# Altium PCB BSPD+SDC.PcbDoc (part 2 of 2)
Units mil, origin at the board's own origin, x right, y up, seen from the top; angles counter-clockwise.
Board outline 4358 x 4357 mil, 2 copper layers (Top Layer, Bottom Layer); 178 components, 132 nets, 572 pads, 173 vias.
Unrouted connection lines stored in the file: 1.
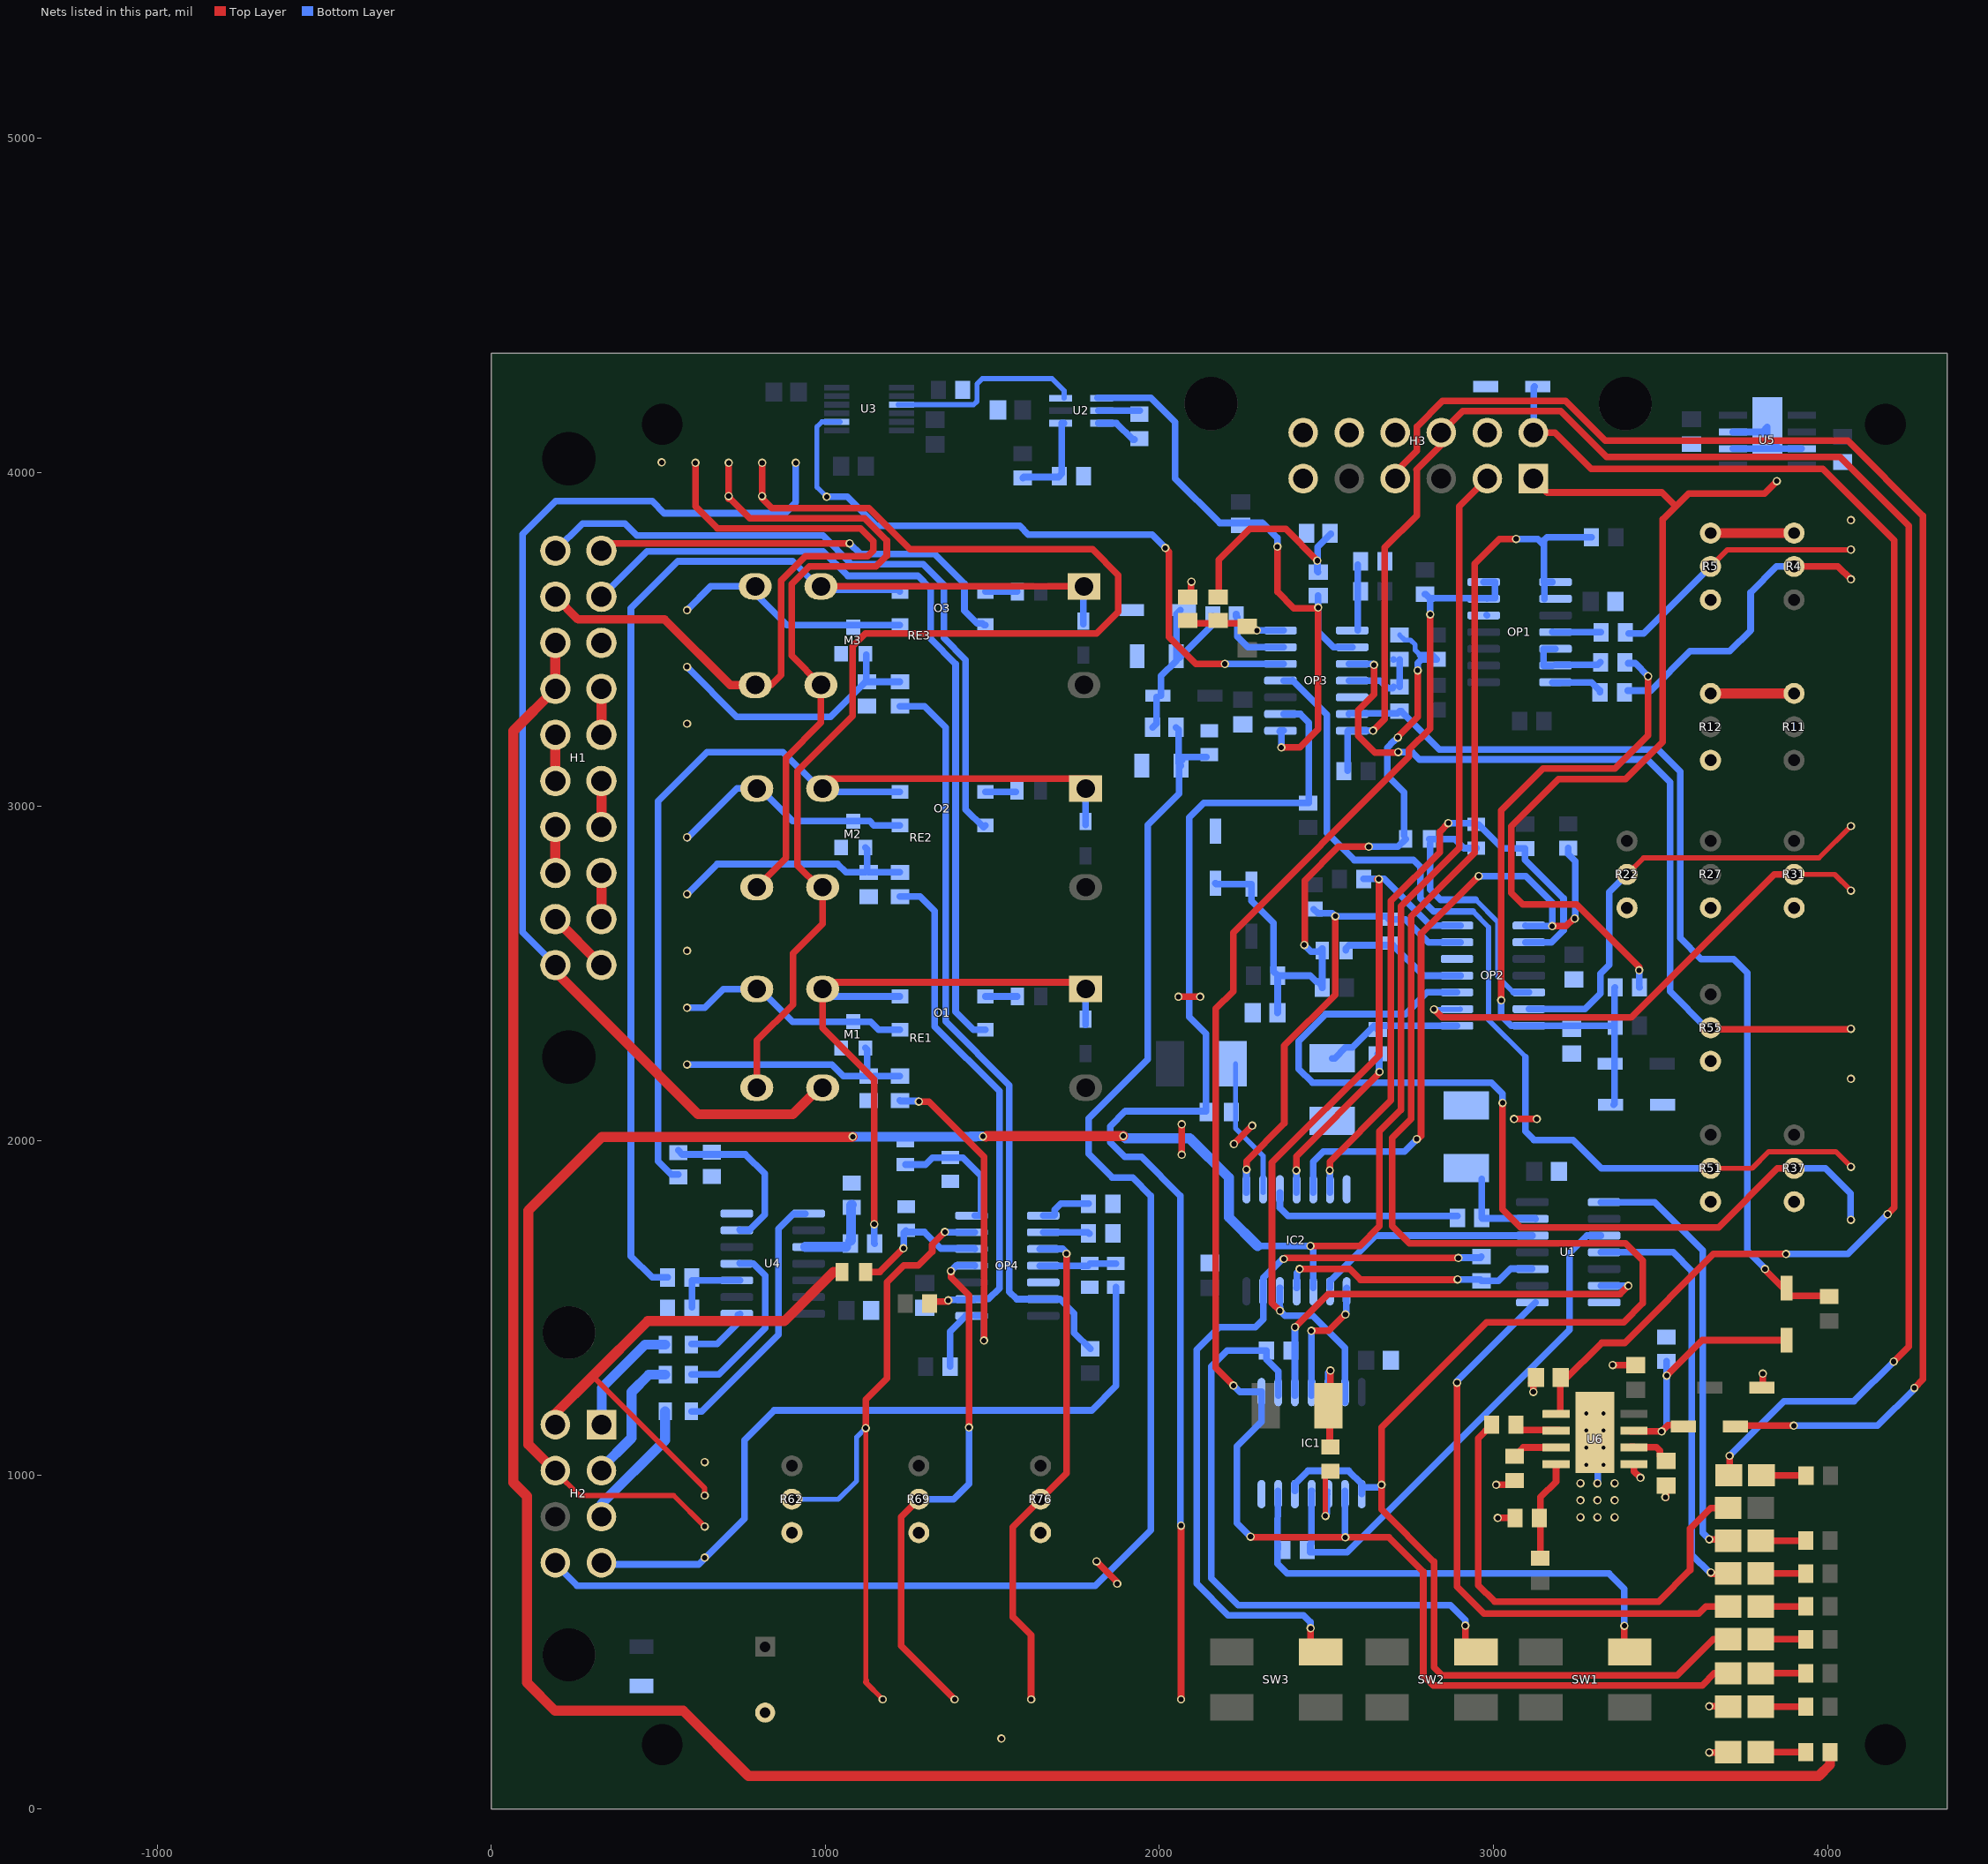
[diagram p2: the nets of this part, all layers, seen from the top]

## Via types
v1: diameter 25, hole 16, Top Layer to Bottom Layer, tented both sides, 135 vias
v2: diameter 25, hole 16, Top Layer to Bottom Layer, tented bottom, 38 vias

## Nets (pads, with @x,y where several pads share a name; then routed paths per layer and width w, separated by ;. In a path a pad name is that pad's centre, name@x,y a point inside that pad or via, vN(x,y) a via of type N, cw(c..) or ccw(c..) an arc to the next point about the centre after c; other vN are vias at no path point) (continued)
BSPD: H2.6 H3.2 IC2.10 R60.1 | length 6706.8
  Top Layer w15.75: H2.6@194.5,1007.5 264,938 546.12,938 v2(639,845.12)
  Top Layer w20: v1(2452,1685) 2600,1685 2659,1744 2659,2028 2723.51,2092.51 2723.51,2701.51 2898,2876 2898,3898.5 2981.09,3981.59 H3.2@2981.69,3981.59
  Top Layer w30: H2.6@194.5,1007.5 111,1091 111,1791 331,2011 1078,2011 v1(1082,2012) ; v1@1481,2012 1483,2014 v1(1892,2014)
  Bottom Layer w20: 2294,1685 v1(2452,1685) 2460.79,1676.21 IC2.10@2460.79,1559.16
  Bottom Layer w30: v1(1082,2012) 1240,2012 1450,2012 ; 1435.62,2013 v1(1472,2013) ; v1(1892,2014) 1898.83,2007.17 2090.83,2007.17 2208.56,1889.45 2208.56,1770.44 2294,1685
current: C18.2 D1.2 D2.1 OP2.7 R2.1 R20.2 R21.1 | length 2104.4
  Top Layer w20: v1(3023.39,2420.44) 3023.39,2988.61 3148.77,3114 3364,3114 3463,3213 v1(3463,3390)
  Bottom Layer w20: v1(3023.39,2420.44) 3023.39,2374.7 3054.09,2344 3096,2344 3096.5,2344.5 3360.82,2344.5 R21.1@3362.32,2346 ; D2.1@3360.31,2108 3362.32,2110.02 R21.1@3362.32,2346 ; R20.2@3364.34,2459 3362.32,2456.98 R21.1@3362.32,2346 ; R2.1@3403.42,3429 3424,3429 v1(3463,3390)
current_HL: OP1.7 R1.2 | length 182.7
  Bottom Layer w20: OP1.7@3199.47,3370.22 3177.73,3370.22 3175.92,3372.03 3294.05,3372.03 3319.05,3347.03 R1.2@3319.05,3342.11
current_HLb: R1.1 R4.2 | length 904.3
  Top Layer w20: R4.2@3900,3718.69 4031.31,3718.69 v2(4070,3680)
  Bottom Layer w20: R1.1@3401.89,3347 3471,3347 3589,3465 3707,3465 3770,3528 3770,3641 3847.69,3718.69 R4.2@3900,3718.69
current_init: H3.1 R20.1 | length 2804.8
  Top Layer w20: H3.1@3119.49,3981.59 3161.08,3940 3288.43,3940 3288.54,3940.11 3503.89,3940.11 3543,3901 ; v1(3436,2510) 3436,2520 3249,2707 3088,2707 3053.39,2741.61 3053.39,2940.39 3195,3082 3396,3082 3507,3193 3507,3859.5 3584.5,3937 3811,3937 v2(3848,3974)
  Bottom Layer w20: v1(3436,2510) 3435.96,2460.22 R20.1@3437.17,2459
current_LL: OP1.4 R3.2 | length 147.8
  Bottom Layer w20: OP1.4@3176.92,3523.03 3175.92,3522.03 3176.11,3521.84 3321.96,3521.84 R3.2@3322.15,3521.65
current_LLb: R3.1 R5.2 | length 768.7
  Top Layer w15.75: R5.2@3650,3718.69 3700.31,3769 v2(4070,3769)
  Bottom Layer w20: R3.1@3404.99,3518.65 3449.97,3518.65 R5.2@3650,3718.69
current_min: OP2.6 R22.2 | length 1353.1
  Top Layer w15.75: R22.2@3400,2797 3449.37,2846.37 3974.74,2846.37 v2(4070,2941.63)
  Bottom Layer w20: OP2.6@3106,2394 3274,2394 3320,2440 3320,2499.52 3347,2526.52 3347,2744 R22.2@3400,2797
current_out1: IC1.1 IC1.5 LED6.1 OP1.1 OP1.2 R7.1 | length 6593.8
  Top Layer w20: v1(2665,970) 2665,896 2821,740 ; v1@2665,976 2665,1142 2980,1457 3390,1457 3447,1514 3447,1641 3395,1693 ; 2822,740 2822,424 2846,400 3550.17,400 3658.02,507.85 LED6.1@3710.4,507.85 ; v1(3068,3801) 3018,3801 2944,3727 2944,2862 2753.51,2671.51 2753.51,2065.51 2697,2009 2697,1745 2749,1693 3392,1693
  Bottom Layer w20: IC1.5@2405.73,952.35 2405.73,973.02 2444.72,1012 2566.75,1012 2605.73,973.02 2605.73,963.02 IC1.1@2605.73,942.35 ; IC1.1@2607.41,963.02 2657.31,963.02 2664.65,970.35 v1(2665,970) ; v1(3068,3801) 3133,3801 3151.42,3782.58 ; OP1.2@3152.48,3621 OP1.1@3152.48,3672.03 ; OP1.1@3175.92,3672.03 3151.42,3672.03 3151.42,3797.42 3160,3806 R7.1@3293.55,3806
current_std: OP1.5 OP1.6 R2.2 | length 249.9
  Bottom Layer w20: OP1.6@3175.92,3422.03 3150,3422.03 3150,3472.03 OP1.5@3185.92,3472.03 ; OP1.6@3185.92,3423.84 3312.43,3423.84 R2.2@3320.58,3432
GND: C1.1 C2.1 C4.2 C5.1 C6.1 C7.1 C8.1 C9.1 C10.1 C11.1 C15.2 C16.1 C17.1 C18.1 C19.1 C20.1 C23.1 C24.1 C25.1 C26.1 C27.2 Copt1.1 D2.2 D4.2 D6.2 D10.2 D11.2 H1.5 H3.6 H3.8 H3.10 H3.11 H3.12 IC1.7 IC2.7 LED8.1 LED9.1 M1.2 M2.2 M3.2 OP1.12 OP2.12 OP3.12 OP4.12 R5.3 R12.3 R22.3 R27.3 R31.3 R37.3 R39.1 R43.1 R47.1 R48.1 R50.1 R51.3 R55.3 R58.1 R61.1 R62.3 R65.2 R68.1 R69.3 R72.2 R75.1 R76.3 R79.2 R84.1 R85.1 R87.1 R88.1 R90.1 R92.2 R96.1 R98.1 R100.1 U1.7 U2.2 U4.7 U5.3 U5.6 U5.7 U5.9 U6.1 U6.9 U6.10 U6.11 U6.12 U6.13 U6.14 U6.15 U6.16 U6.17 | length 1532.7
  Top Layer w20: v1(1812,741) 1873.04,679.96 1873.04,674.96 v1(1874,674) ; v1(2057,2431) v1(2122,2431) ; v1(2067,1958) v1@2067,2052.65 ; R43.1@2085,3627.04 2095.04,3637.08 2095.04,3672.04 v1(2096,3673) ; v1@2226.41,1993.41 v1(2278,2045) ; v1(3008.15,969.94) 3050.36,969.94 R85.1@3063,982.58 ; v1(3012.72,871) R84.1@3064.58,871 ; v1(3062,2065) v1(3129.69,2065) ; v1(3119.49,1248.02) 3119.49,1270.2 3113.69,1276 C24.1@3129.69,1292 ; v1(3357,1328.51) C23.1@3426,1328.51 ; U6.1@3420.24,1032 3420.24,1010.76 v1(3440,991) ; v1(3515,933) 3517,931 Copt1.1@3517,967.99 ; v1(3646,169) 3687.81,169 LED9.1@3710.81,192 ; v1(3646,307) 3709,307 LED8.1@3710,306 ; D10.2@3803.83,1261 3806.26,1263.43 v1(3806.26,1303)
  Bottom Layer w20: U2.2@1817.41,4184.79 R48.1@1942,4184.79 ; OP1.12@2979.22,3573.84 OP1.12@2981.04,3572.03 ; v1(3311.65,975) 3312.61,975.96 3312.61,1013.3 U6.10@3329.54,1030.23 ; U5.6@3717,4071 U5.9@3855,4071 ; U5.7@3717,4121 3805,4121 U5.9@3820,4136 3820,4106 U5.9@3855,4071 ; U5.3@3923,4071 U5.9@3855,4071
  other v1: 1527,211 3260.65,873 3311.65,873 3362.65,873 3260.65,924 3311.65,924 3362.65,924 3260.65,975 3362.65,975 2223,1990 2067,2049.28
  other v2: 639,1038 4070,2185 586,2568 586,3248 4070,3857 510,4030
NetC3_2: C3.2 IC1.12 R19.2 | length 330.4
  Top Layer w20: v1@2510.09,1310.09 v1(2512,1312) 2512,1208.91 2510.09,1207 2510.09,1085.33 R19.2@2512,1083.42
  Bottom Layer w20: IC1.12@2505.73,1217.11 2505.73,1237.78 2505.73,1305.73 v1(2512,1312)
NetC4_1: C4.1 OP2.8 R30.2 | length 425.9
  Bottom Layer w20: C4.1@2517,2246.5 2525.06,2246.5 2557.39,2278.83 2577.43,2278.83 2642.6,2344 R30.2@2654,2344 ; R30.2@2654,2332.56 R30.2@2654,2344 ; OP2.8@2891.12,2344 R30.2@2654,2344
NetC7_2: C7.2 H2.8 R39.2 R40.1 | length 4619.3
  Bottom Layer w20: H2.8@190,735 257,668 1808,668 1975,835 1975,1834.87 1919.87,1890 1859,1890 1788,1961 1788,2067 1965,2244 1965,2944.64 2059,3038.64 2059,3136 C7.2@2071.04,3148.04 ; R40.1@2050.04,3237 2057.35,3229.69 2057.35,3129.92 C7.2@2064.66,3122.61 ; C7.2@2067.85,3138.99 C7.2@2067.85,3148.04 ; C7.2@2076.91,3148.04 R39.2@2141.43,3148.04
NetC8_2: C8.2 D5.2 D6.1 R40.2 R41.1 | length 542.1
  Bottom Layer w20: R40.2@1979.96,3237 1991.29,3248.33 D5.2@1991.29,3328 ; D5.2@2005.09,3332 2005.09,3391.05 2050.84,3436.81 C8.2@2050.84,3450 2050.84,3575.93 D6.1@2062.91,3588 ; C8.2@2060,3445 2159.96,3544.96 R41.1@2159.96,3570
NetC15_1: C15.1 R52.2 U1.13 | length 279.9
  Bottom Layer w20: C15.1@2965.05,1886.17 R52.2@2965.05,1769 2966.55,1767.5 3125.06,1767.5 U1.13@3126.56,1766
NetC19_2: C19.2 D3.2 D4.1 R9.1 R24.2 R25.1 R26.1 R35.1 R53.2 | length 2190.3
  Top Layer w20: v1@2435,2586 2435,2779 2536,2880 v1(2627,2880) ; v1(2714,3207) 2714,3209.59 2773,3268.59 v1(2773,3407.55)
  Bottom Layer w15: R53.2@2719,3513.42 2734.14,3498.28 2751.94,3498.28 2766,3484.22 2766,3468 2780.78,3453.22
  Bottom Layer w20: D4.1@2168,2770.09 2170.23,2767.85 D3.2@2276,2767.85 2276,2718 2342.06,2651.94 2342.06,2506.36 R25.1@2354.42,2494 ; C19.2@2354.01,2383 2354.21,2383.2 2354.21,2493.8 R25.1@2354.42,2494 ; v1(2434,2586) 2454,2566 2478.21,2566 2487.57,2575.36 R35.1@2487.57,2569.51 2487.57,2462.93 2474.94,2475.56 2470.02,2475.56 2451.58,2494 R25.1@2354.42,2494 ; R24.2@2487.58,2458 R24.2@2487.58,2462.92 ; v1(2627,2880) 2714.57,2880 R26.1@2737.57,2903 ; v1(2714,3207) 2702.5,3195.5 2701.54,3195.5 2682.5,3176.46 2682.5,3092.88 2733,3042.38 R26.1@2733,2913 ; v1(2773,3407.55) 2773,3430 2783.58,3440.58 R9.1@2829.9,3440.58 2817.27,3453.22 2780.78,3453.22
NetC24_2: C24.2 D11.1 H3.7 U6.5 | length 4675.4
  Top Layer w20: H3.7@3119.49,4119.39 3183.61,4119.39 3292,4011 3986,4011 4200,3797 4200,1800 v1(4180,1780) ; U6.5@3197.65,1182 3198.01,1182 3199.82,1183.81 3199.82,1286.81 3202,1288.99 3210,1281 3324,1395 3393,1395 3659,1661 v1(3875.72,1661)
  Bottom Layer w20: H3.7@3119.49,4119.39 3121.2,4121.1 3121.2,4255.29 D11.1@3122.91,4257 ; v1(3875.72,1661) 4061,1661 v1(4180,1780)
NetCopt1_2: Copt1.2 U6.2 | length 133.5
  Top Layer w20: U6.2@3410.24,1084 U6.2@3420.24,1084 ; U6.2@3420.24,1082 3421.25,1083.01 3487.99,1083.01 3498.46,1072.54 3498.46,1056.61 3513.06,1042.01 Copt1.2@3517,1042.01
NetD7_2: D7.2 O1.4 R97.1 RE1.1 RE1.3 | length 1993.3
  Top Layer w20: v1(1146.45,1750) 1146.45,2183.12 991.94,2337.63 RE1.3@991.94,2454.09 1011.94,2474.09 1779.34,2474.09 RE1.1@1789.34,2474.09
  Bottom Layer w20: RE1.3@991.94,2466.86 RE1.3@991.94,2454.09 1014.12,2431.91 O1.4@1223.46,2431.91 ; v1(1146.45,1750) 1146.45,1693.45 R97.1@1147.9,1692 ; RE1.1@1779.34,2454.09 1779.56,2453.88 D7.2@1779.56,2346.77
NetD8_2: D8.2 O2.4 R99.2 RE2.1 RE2.3 | length 2915.6
  Top Layer w20: RE2.3@1001.94,3084.09 1789.34,3084.09 RE2.1@1789.18,3054.09
  Bottom Layer w20: R99.2@560,1898.58 539.42,1898.58 499,1939 499,3016 646,3163 873.19,3163 982.09,3054.09 RE2.3@991.94,3054.09 1002.35,3043.69 O2.4@1223.46,3043.69 ; D8.2@1779.34,2945.43 RE2.1@1779.34,3054.09
NetD9_2: D9.2 O3.4 R95.2 RE3.1 RE3.3 | length 3878.1
  Top Layer w20: RE3.3@986.94,3659.09 RE3.1@1774.34,3659.09
  Bottom Layer w20: R95.2@527.86,1590.88 482.12,1590.88 418,1655 418,3593 559.09,3734.09 902.09,3734.09 977.09,3659.09 RE3.3@986.94,3659.09 997.19,3648.84 1217.71,3648.84 O3.4@1223.46,3643.09 ; D9.2@1771.94,3545.43 1771.94,3656.69 RE3.1@1774.34,3659.09
NetD12_1: D12.1 D13.1 R90.2 U6.3 | length 788.4
  Top Layer w20: U6.3@3410.24,1130 U6.3@3420.24,1130 ; U6.3@3420.24,1132 U6.3@3420.24,1130 ; v1(3519,1297) 3625.09,1403.09 D13.1@3878,1403.09 ; D12.1@3568.09,1145 3566.31,1145 3562.31,1149 3522.28,1149 v1(3503.28,1130) U6.3@3420.24,1130
  Bottom Layer w20: v1(3503.28,1130) 3518.5,1145.22 3518.5,1339.08 R90.2@3518,1339.58
NetD12_2: D12.2 H3.4 | length 5077.9
  Top Layer w20: H3.4@2706.1,3981.59 2706.1,4000.15 2770.39,4064.44 2770.39,4136.8 2847.27,4213.68 3216.41,4213.68 3335.09,4095 4061,4095 4286,3870 4286,1286 v1(4260,1260) ; D12.2@3723.91,1145 3725.91,1147 v1(3899,1147)
  Bottom Layer w20: v1(3899,1147) 4150,1147 4260,1257 v1(4260,1260)
NetD13_2: D13.2 OP3.13 R54.1 R56.2 | length 2955.8
  Top Layer w20: v1@3816.96,1609.78 3872.91,1553.83 D13.2@3878.56,1548.18 ; D13.2@3878,1558.91 3878.56,1558.91 D13.2@3878.56,1548.18 ; R56.2@4004.82,1533.48 4002.39,1535.91 3880.99,1535.91 3878.56,1538.34 D13.2@3878.56,1548.18
  Bottom Layer w20: OP3.13@2567.44,3277 2569.25,3278.81 2712.23,3278.81 R54.1@2719,3285.58 2723.92,3285.58 2838.5,3171 3493,3171 3559,3105 3559,2607 3622,2544 3719,2544 3760,2503 3760,1670 v1@3812.5,1617.5
  other v1: 3812.91,1616
NetH1_1: H1.1 O3.2 | length 1311.3
  Top Layer w20: H1.1@329.8,3765.77 336.02,3772 340.02,3768 343.02,3771 344.02,3770 362.02,3788 v1(1073,3788)
  Bottom Layer w20: v1(1073,3788) 1105,3756 1327.61,3756 1416.47,3667.14 1416.47,3587 1454.63,3548.84 1469.68,3548.84 1475.43,3543.09 O3.2@1479.36,3543.09
NetH1_2: H1.2 O2.2 | length 2055.7
  Bottom Layer w20: H1.2@192,3765.77 273.23,3847 400,3847 436,3811 992.7,3811 1078.37,3725.33 1293.57,3725.33 1355,3663.9 1355,3504.43 1420,3439.43 1420,2991.55 1473.61,2937.94 O2.2@1479.36,2943.69
NetH1_3: H1.3 O1.2 | length 2496.9
  Bottom Layer w20: H1.3@329.8,3627.98 465.91,3764.09 993.31,3764.09 1066.92,3690.49 1276.51,3690.49 1315,3652 1315,3502 1390,3427 1390,2385.91 1444,2331.91 O1.2@1479.36,2331.91
NetH1_4: H1.4 RE3.5 | length 2127.5
  Top Layer w20: v2(611,4029) 611,3899 677,3833 1105,3833 1143.72,3794.28 1143.72,3766.72 1126,3749 940,3749 868,3677 868,3394 837.82,3363.82 RE3.5@790.09,3363.82
  Top Layer w25: H1.4@192,3627.98 259.97,3560 519,3560 715.18,3363.82 RE3.5@790.09,3363.82
NetH1_6: H1.6 H1.8 R91.2 | length 7258.7
  Top Layer w30: H1.8@182.23,3352.01 H1.8@192,3352.39 ; H1.6@192,3490.18 H1.8@192,3352.39 ; R91.2@4007.76,170 4007.76,132.76 3974,99 770,99 575,294 191,294 107,378 107,936 66,977 66,3226.39 H1.8@192,3352.39
NetH1_7: H1.7 H1.9 | length 137.8
  Top Layer w30: H1.9@329.8,3214.59 H1.7@329.8,3352.39
NetH1_10: H1.10 H1.12 | length 137.8
  Top Layer w30: H1.12@192,3076.8 H1.10@192,3214.59
NetH1_11: H1.11 H1.13 | length 137.8
  Top Layer w30: H1.13@329.8,2939 H1.11@329.8,3076.8
NetH1_14: H1.14 H1.16 | length 137.8
  Top Layer w30: H1.16@192,2801.21 H1.14@192,2939
NetH1_15: H1.15 H1.17 | length 137.8
  Top Layer w30: H1.17@329.8,2663.41 H1.15@329.8,2801.21
NetH1_18: H1.18 H1.19 | length 194.9
  Top Layer w30: H1.18@192,2663.41 H1.19@329.8,2525.61
NetH1_20: H1.20 RE1.6 | length 3364.8
  Top Layer w30: H1.20@192,2525.61 192,2506 618.91,2079.09 902.37,2079.09 982.09,2158.82 RE1.6@991.94,2158.82
  Bottom Layer w20: H1.20@192,2525.61 94,2623.61 94,3815.04 192.96,3914 482,3914 518,3878 879,3878 911.52,3910.52 v2(911.52,4029)
NetH2_1: H2.1 R80.1 | length 356.9
  Bottom Layer w30: H2.1@321.8,1150.39 331,1159.59 331,1260.2 460.74,1389.94 R80.1@520.56,1389.94
NetH2_2: H2.2 R81.1 | length 392.6
  Bottom Layer w30: H2.2@326,1016.39 420,1110.39 420,1248 471.94,1299.94 R81.1@520.56,1299.94
NetH2_3: H2.3 R82.1 | length 394.2
  Bottom Layer w30: H2.3@329.8,874.8 329.8,912.8 520.56,1103.56 R82.1@520.56,1189.94
NetH2_4: H2.4 R74.1 | length 2194.6
  Bottom Layer w20: H2.4@329.8,732 621,732 758,869 758,1104 847,1193 1797,1193 1870,1266 R74.1@1870,1561.57
  other v2: 639,752.12
NetH2_5: H2.5 R67.1 | length 1562.8
  Top Layer w15.75: 303.65,1295.35 638,961 638,939.12 v2(639,938.12)
  Top Layer w30: H2.5@192,1150.39 192,1183.69 303.65,1295.35 468.31,1460 877.34,1460 1024.34,1607 R67.1@1050,1607
NetH3_9: H3.9 LED1.1 OP3.14 R94.1 | length 5928.1
  Top Layer w20: v1(2640,3227) 2674.82,3261.82 2674.82,3775.82 2770.39,3871.39 2770.39,4008.22 2770,4008.62 2843.9,4082.51 H3.9@2843.9,4119.39 2908.19,4183.68 3201.32,4183.68 3339,4046 4037,4046 4243,3840 4243,1384 v1(4198,1339) ; LED1.1@3702,999 3707,1004 v1(3707,1057)
  Bottom Layer w20: R94.1@2563.58,3107 2563.58,3225.19 2565.39,3227 v1(2640,3227) ; v1(3707,1057) 3870,1220 4079,1220 v1(4198,1339)
NetIC1_2: IC1.2 IC1.8 LED7.1 OP1.13 OP1.14 R14.1 | length 5460.7
  Top Layer w20: v1(2222,1267.16) 2169,1320.16 2169,2395 2221,2447 2221,2623.04 2747.5,3149.54 2747.5,3170.5 2810,3233 v1@2810,3568 ; v1@2279,813 v1(2556.5,813) 2687,813 2790,710 2790,400 2820,370 3625,370 3661,406 LED7.1@3710.4,406
  Bottom Layer w20: v1(2222,1267.16) 2240.74,1248.41 2305.73,1248.41 2305.73,1159.58 2232,1085.85 2232,856 v1(2273,815) ; v1@2555.73,813 IC1.2@2555.73,952.35 ; R14.1@2795,3635.58 2797.41,3635.58 R14.1@2809.15,3623.84 ; v1(2811,3575) 2810.04,3575.96 2810.04,3622.94 R14.1@2809.15,3623.84 ; OP1.14@2971.04,3672.03 3005,3672.03 3005,3623.84 R14.1@2809.15,3623.84 ; OP1.13@2979.22,3623.84 OP1.13@2981.04,3622.03
NetIC1_3: IC1.3 R19.1 | length 211.3
  Top Layer w15: v1(2497,877) 2497,995.58 R19.1@2512,1010.58
  Bottom Layer w15: v1(2497,877) 2497.29,877 2504.08,883.79 2504.08,940.7 IC1.3@2505.73,942.35 ; IC1.3@2504.08,950.7 IC1.3@2505.73,952.35
NetIC1_4: IC1.4 R16.2 U1.3 | length 1583.7
  Bottom Layer w20: IC1.4@2456.43,951.65 2455.73,952.35 2455.73,795.24 2452,791.5 2452,768 2562,768 3228,1434 3228,1664 3280,1716 U1.3@3321.44,1716
NetIC1_6: IC1.6 R16.1 SW1.3 | length 1527.1
  Top Layer w20: SW1.3@3383.2,459.83 3393.11,459.83 3392,460.94 v1(3392,548)
  Bottom Layer w20: R16.1@2353.73,792 R16.1@2353.73,777 ; R16.1@2354.73,778 R16.1@2354.73,793 ; IC1.6@2354.73,952.35 2353.82,793.01 R16.1@2353.73,777 ; v1(3392,548) 3392,659 3346,705 2383,705 2353.73,734.27 R16.1@2353.73,777
NetIC1_9: IC1.9 R18.1 SW2.3 | length 1892.9
  Top Layer w20: v1(2916,549) 2916,476.94 SW2.3@2933.11,459.83 ; SW2.3@2933.11,472.61 SW2.3@2934,472.61
  Bottom Layer w20: IC1.9@2355.73,1237.78 2356,1238.05 2356,1310.38 2320.58,1345.8 R18.1@2320.58,1372 2203.17,1372 2156,1324.83 2156,690 2236,610 2871,610 2916,565 v1(2916,549)
NetIC1_10: IC1.10 R18.2 U1.6 | length 1336.1
  Top Layer w20: v1(2406,1442) 2505,1541 3379,1541 v1(3404,1566)
  Bottom Layer w20: IC1.10@2405.73,1237.78 2405.73,1372 v1@2405.73,1442 ; U1.6@3321.44,1566 v1(3404,1566)
NetIC1_11: IC1.11 IC2.8 | length 396.2
  Top Layer w20: v1(2455,1431) 2507,1431 2556,1480 v1(2557,1480)
  Bottom Layer w20: IC1.11@2455.73,1237.78 v1@2455.73,1431 ; v1(2557,1480) 2557,1481.35 2560.1,1484.45 2560.1,1558.46 IC2.8@2560.79,1559.16
NetIC1_13: IC1.13 IC2.12 OP2.14 R32.1 | length 2256.7
  Top Layer w20: v1(2361,1490.8) 2337,1514.8 2337,1934.96 2658,2255.96 2658,2776.83 v1@2652,2782.83
  Bottom Layer w20: IC2.12@2360.79,1559.16 2360.4,1558.76 2360.4,1503.4 2361,1502.79 v1(2361,1490.8) 2375.94,1475.86 2459.36,1475.86 2555.73,1379.49 IC1.13@2555.73,1217.11 ; R32.1@2611.59,2783.4 2672.6,2783.4 2812,2644 OP2.14@2901.12,2644
  other v1: 2657.01,2782.83
NetIC2_1: IC2.1 OP2.13 R36.2 R38.1 | length 1418
  Top Layer w20: v1(2260.79,1913.85) 2260.79,1938.7 2374,2051.91 2374,2284 2527,2437 v1(2527,2672)
  Bottom Layer w20: v1@2260.4,1913.85 2260.4,1844.99 IC2.1@2260.79,1844.59 ; R38.1@2462,2693 2474.64,2680.36 2517.28,2680.36 2525.65,2672 v1(2527,2672) 2527.96,2671.04 2679.39,2671.04 R36.2@2688,2662.43 2736.54,2662.43 2804.98,2594 OP2.13@2901.12,2594
NetIC2_2: C89.2 IC2.2 R102.2 | length 419.7
  Bottom Layer w15: C89.2@2228,2230 2228,2037.32 2310.79,1954.53 IC2.2@2310.79,1844.59
NetIC2_3: IC2.3 R52.1 | length 586.9
  Bottom Layer w20: IC2.3@2360.79,1844.59 2360.79,1799.27 2385.23,1774.84 R52.1@2892.22,1774.84
NetIC2_4: IC2.4 R30.1 | length 512.6
  Top Layer w20: v1(2410,1911) 2410,1953 v1@2656.5,2199.5
  Bottom Layer w20: v1@2410.4,1910.61 2410.4,1844.99 IC2.4@2410.79,1844.59 ; R30.1@2654,2259.73 2658.04,2255.69 2658.04,2206.96 v1(2659,2206)
NetIC2_5: IC2.5 OP2.1 R23.1 | length 1998
  Top Layer w20: v1(2770.66,2005) 2774,2005 2783.51,2014.51 2783.51,2619.51 v1(2956,2792) ; v1(3176.11,2642) 3217.56,2642 3240.56,2665 v1(3243.31,2665)
  Bottom Layer w20: IC2.5@2460.79,1844.59 2460.79,1937.79 2491,1968 2733.66,1968 v1(2770.66,2005) ; v1(2956,2792) 3096.96,2792 3176.11,2712.86 v1(3176.11,2642) 3098,2642 OP2.1@3096,2644 ; R23.1@3224,2875.58 3224,2857.5 3245,2836.5 3245,2666.69 v1(3243.31,2665)
NetIC2_6: IC2.6 OP2.2 R28.2 R29.1 | length 1935.5
  Top Layer w20: v1@2510.4,1910.61 2510.4,1937.4 2693.51,2120.51 2693.51,2717.51 2839,2863 2839,2924.46 v1(2865,2950.46)
  Bottom Layer w20: v1@2510.4,1910.61 2510.4,1844.99 IC2.6@2510.79,1844.59 ; v1(2865,2950.46) 2944.98,2950.46 R28.2@2949,2946.43 2955.89,2946.43 3027.74,2874.58 R29.1@3095,2874.58 3095,2841 3210,2726 3210,2629.93 3174.07,2594 OP2.2@3096,2594
  other v1: 2510,1911
NetIC2_9: IC2.9 U1.12 | length 682.8
  Bottom Layer w20: IC2.9@2510.79,1559.16 2510.79,1579.83 2646.96,1716 U1.12@3116.56,1716
NetIC2_11: IC2.11 R33.2 U1.10 | length 786.9
  Top Layer w20: v1(2420,1616) 2570,1616 2602,1584 v1@2893,1584
  Bottom Layer w20: IC2.11@2410.4,1559.55 2410.79,1559.16 2411.48,1559.85 2411.48,1604.78 2420,1613.29 v1(2420,1616) ; v1(2893,1585) 2893.96,1584.04 2960.65,1584.04 R33.2@2964.11,1580.58 3015.58,1580.58 3052,1617 U1.10@3115.56,1617
NetIC2_13: IC2.13 R33.1 SW3.3 | length 2238.8
  Top Layer w20: v1(2372.56,1646) 2375.56,1649 2894.5,1649 v1@2895,1648.5 ; v1(2453,541) 2453,473.94 SW3.3@2470.11,456.83
  Bottom Layer w20: v1(2372.56,1646) 2367.56,1646 2310.79,1589.23 2310.79,1465.79 2287,1442 2179.58,1442 2111.58,1374 2111.58,674.42 2206,580 2432,580 2453,559 v1(2453,541) ; v1(2895,1649) 2895.96,1649.96 2960.65,1649.96 R33.1@2964.11,1653.42
NetLED1_2: LED1.2 R101.1 | length 141.7
  Top Layer w20: LED1.2@3794.68,999 3795.18,998.5 3935.42,998.5 R101.1@3935.92,998
NetLED2_1: LED2.1 R86.2 | length 1479.1
  Top Layer w20: R86.2@2989.1,1155.72 R86.2@2989.1,1166.61 ; R86.2@2994.58,1150 2954,1109.42 2954,670 3004,620 3494,620 3589,715 3589,839 3651,901 3700,901 3710,901 LED2.1@3706,897
NetLED3_1: LED3.1 U1.1 | length 1319.1
  Top Layer w20: v1(3646,807) 3706.53,807 3710.4,803.13 LED3.1@3699.78,792.5
  Bottom Layer w20: U1.1@3321.44,1816 3483,1816 3627,1672 3627,826 v1(3646,807)
NetLED3_2: LED3.2 R15.1 | length 141.8
  Top Layer w20: LED3.2@3793.08,803.13 R15.1@3934.92,803.13
NetLED4_1: LED4.1 U1.4 | length 1284.2
  Top Layer w20: v1@3651,704 3697.98,704 LED4.1@3704.54,710.56 ; LED4.1@3706.7,701 LED4.1@3710.4,704.7
  Bottom Layer w20: U1.4@3321.44,1666 3538,1666 3594,1610 3594,761 v1@3649.15,705.85
  other v1: 3651,708
NetLED4_2: LED4.2 R17.1 | length 141.8
  Top Layer w20: LED4.2@3793.08,704.7 R17.1@3934.92,704.7
NetLED5_1: LED5.1 U1.8 | length 1809.3
  Top Layer w20: v1(2891,1276) 2891,666 2972,585 3615,585 3636.28,606.28 LED5.1@3710.4,606.28
  Bottom Layer w20: v1(2891,1276) 2891,1280.44 U1.8@3126.56,1516
NetLED5_2: LED5.2 R34.1 | length 141.8
  Top Layer w20: LED5.2@3793.08,606.28 R34.1@3934.92,606.28
NetLED6_2: LED6.2 R6.1 | length 141.8
  Top Layer w20: LED6.2@3793.08,507.85 R6.1@3934.92,507.85
NetLED7_2: LED7.2 R13.1 | length 141.8
  Top Layer w20: LED7.2@3793.08,406 R13.1@3934.92,406
NetLED8_2: LED8.2 R89.1 | length 142.2
  Top Layer w20: LED8.2@3792.68,306 R89.1@3934.92,306
NetLED9_2: LED9.2 R91.1 | length 152.1
  Top Layer w20: LED9.2@3792.68,192 3793.18,191.5 LED9.2@3793.99,191.5 ; LED9.2@3793.49,192 LED9.2@3793.99,191.5 ; R91.1@3934.92,170 3815.49,170 LED9.2@3793.99,191.5
NetM1_1: M1.1 R64.2 R65.1 | length 740.3
  Bottom Layer w20: v2(586,2228) 1020,2228 1054.58,2193.42 R65.1@1130,2193.42 ; M1.1@1119.63,2277.63 1124.82,2272.45 1124.82,2198.6 R65.1@1130,2193.42 ; R64.2@1223.46,2193.42 R65.1@1130,2193.42
NetM1_3: M1.3 O1.3 RE1.4 | length 711.3
  Bottom Layer w20: v2(586,2398) 639.16,2398 695.26,2454.09 RE1.4@795.09,2454.09 804.93,2454.09 902.65,2356.37 M1.3@1083.61,2356.37 1135.72,2356.37 1160.18,2331.91 O1.3@1223.46,2331.91
NetM2_1: M2.1 R71.2 R72.1 | length 760.4
  Bottom Layer w20: v2(586,2738) 676,2828 1037,2828 1061.58,2803.42 1119.63,2803.42 R72.1@1124.82,2808.6 ; M2.1@1119.63,2877.63 1124.82,2872.45 R72.1@1124.82,2808.6 ; R71.2@1223.46,2803.42 R72.1@1130,2803.42 R72.1@1124.82,2808.6
NetM2_3: M2.3 O2.3 RE2.4 | length 742.5
  Bottom Layer w20: v2@588,2906 736.09,3054.09 RE2.4@795.09,3054.09 804.93,3054.09 902.65,2956.37 M2.3@1083.61,2956.37 1132.63,2956.37 1145.32,2943.69 O2.3@1223.46,2943.69
  other v2: 586,2908
NetM3_1: M3.1 R78.2 R79.1 | length 825
  Bottom Layer w20: v2(586,3418) 735,3269 1015.74,3269 1120.16,3373.42 R79.1@1125.08,3373.42 ; M3.1@1122.36,3454.91 1122.36,3376.14 R79.1@1125.08,3373.42 ; R78.2@1223.46,3373.42 R79.1@1125.08,3373.42
NetM3_3: M3.3 O3.3 RE3.4 | length 737
  Top Layer w20: RE3.4@790.09,3659.09 RE3.4@799.93,3659.09
  Bottom Layer w20: v2(586,3588) 657.1,3659.09 RE3.4@790.09,3659.09 790.09,3638.32 885.31,3543.09 1083.61,3543.09 O3.3@1223.46,3543.09
NetO1_1: O1.1 R59.1 | length 95.2
  Bottom Layer w20: O1.1@1479.36,2431.91 R59.1@1574.57,2431.91
NetO2_1: O2.1 R66.1 | length 90.6
  Bottom Layer w20: O2.1@1479.36,3043.69 R66.1@1570,3043.69
NetO3_1: O3.1 R73.1 | length 95.2
  Bottom Layer w20: O3.1@1479.36,3643.09 R73.1@1574.57,3643.09
NetOP2_5: OP2.5 R26.2 R28.1 | length 808.6
  Bottom Layer w15: 2947,2721 3012.72,2655.28 3012.72,2491.28 OP2.5@3060,2444
  Bottom Layer w20: R26.2@2808.43,2903 2885,2903 2912.43,2875.57 R28.1@2949,2875.57 ; R26.2@2811,2890 2811,2752 2842,2721 2947,2721 ; OP2.5@3060,2444 OP2.5@3106,2444
NetOP2_9: OP2.9 R31.2 | length 1534.9
  Top Layer w15.75: R31.2@3900.19,2797 4021.63,2797 v2(4070,2748.63)
  Top Layer w20: v1(2822,2393) 2846,2369 3413,2369 3841,2797 R31.2@3900.19,2797
  Bottom Layer w15.75: v1(2822,2393) 2822.09,2392.91 2900.03,2392.91 OP2.9@2901.12,2394
NetOP2_10: OP2.10 R37.2 | length 2853.1
  Top Layer w20: v1(3027.5,2113) 3027,2112.5 3027,1795 3081,1741 3674,1741 3850.4,1917.4 R37.2@3900.19,1917.4
  Bottom Layer w20: OP2.10@2891.12,2444 2801,2444 2736,2379 2498,2379 2417,2298 2417,2215.05 2458.55,2173.5 2672.46,2173.5 2672.96,2174 2994,2174 3027.5,2140.5 v1(3027.5,2113) ; R37.2@3900.19,1917.4 3993.6,1917.4 4069.04,1841.96 4069.04,1763.96 v2(4070,1763)
NetOP2_11: OP2.11 R35.2 R36.1 | length 390.2
  Bottom Layer w20: R35.2@2558.43,2569.51 2558.43,2575.32 2568.12,2585 2700.09,2585 2791.09,2494 OP2.11@2901.12,2494
NetOP3_1: OP3.1 OP3.9 R44.1 R46.2 U2.1 | length 1902.5
  Top Layer w20: v1(2353,3778) 2353,3643 2402.91,3593.09 2475.28,3593.09 2475.28,3231.28 2421,3177 v1(2365,3177)
  Bottom Layer w20: U2.1@1815,4223 1975,4223 2047.44,4150.56 2047.44,3981.56 2180,3849 2308,3849 2353,3804 v1(2353,3778) ; v1(2365,3177) 2365,3220.19 2360,3225.19 2361.81,3227 OP3.1@2372.56,3227 ; R46.2@2475.28,3631.92 2475.28,3523.44 2521.72,3477 OP3.9@2577.44,3477
  other v1: 2475.28,3595.8
NetOP3_2: OP3.2 R93.1 R102.1 | length 3740.4
  Top Layer w20: v2(2065,328) v1(2065,848)
  Bottom Layer w20: v1(2065,848) 2063.5,849.5 2063.5,1834.87 1946.54,1951.83 1896.17,1951.83 1853,1995 1853,2043 1898.5,2088.5 2140,2088.5 2140,2320 2089.5,2370.5 2089.5,2967.5 2132.54,3010.54 2447.6,3010.54 2447.6,3251.13 2421.72,3277 OP3.2@2372.56,3277
NetOP3_4: OP3.4 R51.2 | length 2897.3
  Top Layer w15.75: R51.2@3650,1917.4 3774.4,1917.4 3823.77,1966.77 4025.23,1966.77 v2(4070,1922)
  Bottom Layer w15: 2939,2686 2985.57,2639.43 2985.57,2360.99 3096,2250.56
  Bottom Layer w20: OP3.4@2372.56,3377 2396.57,3377 2398.05,3378.48 2501.09,3275.44 2501.09,2921.91 2582.98,2840.02 2760,2840.02 2781,2819.02 2781,2726 2821,2686 2939,2686 ; 3096,2250.56 3096,2028 3121.57,2002.43 3238.5,2002.43 3323.53,1917.4 R51.2@3650,1917.4
NetOP3_5: OP3.5 U3.2 | length 2022.6
  Top Layer w20: v1(2018,3774) 2029,3763 2029,3507 2109,3427 v1(2196,3427)
  Bottom Layer w15: v2(1004,3927) 975,3956 975,4137 989.61,4151.61 U3.2@1043.91,4151.61
  Bottom Layer w19.68: v2(1004,3927) 1066,3927
  Bottom Layer w20: 1066,3927 1152.64,3840.36 1581.64,3840.36 1608,3814 1978,3814 v1(2018,3774) ; v1(2196,3427) OP3.5@2372.56,3427
NetOP3_6: OP3.6 R41.2 | length 221.1
  Bottom Layer w20: R41.2@2230.04,3576.1 R41.2@2230.04,3570 2233.14,3566.9 2233.14,3508.86 2265,3477 OP3.6@2372.56,3477
NetOP3_7: OP3.7 R42.1 R43.2 R45.2 | length 305.3
  Top Layer w20: R43.2@2085,3556.96 2093.44,3548.52 R45.2@2178,3548.52 ; R45.2@2176,3556.96 2176,3550.52 R45.2@2178,3548.52 ; R42.1@2251.83,3548 2178.52,3548 R45.2@2178,3548.52 ; R42.1@2254.4,3532.64 2260.04,3527 R42.1@2263,3527 ; R42.1@2263,3539.04 2274.08,3527.96 2291.08,3527.96 v1(2292.04,3527)
  Bottom Layer w20: v1(2292.04,3527) OP3.7@2372.56,3527
NetOP3_8: OP3.8 R57.1 R58.2 | length 196
  Bottom Layer w20: OP3.8@2593.44,3528 R58.2@2593.44,3724
NetOP3_10: OP3.10 R55.2 | length 2513.1
  Top Layer w20: v1(2642.32,3423.77) 2642.32,3335.47 2595,3288.15 2595,3212 2645,3162 2716,3162 v1(2715,3163) ; R55.2@3651.31,2333.91 v2@4070,2333.91
  Bottom Layer w20: OP3.10@2567.44,3427 2639.09,3427 v1(2642.32,3423.77) ; v1(2715,3163) 2757,3163 2779,3141 3461,3141 3529,3073 3529,2446.61 3637.61,2338 R55.2@3650,2338
  other v2: 4070,2335
NetOP3_11: OP3.11 R53.1 R54.2 | length 226.9
  Bottom Layer w20: OP3.11@2567.44,3377 2567.71,3377.27 2661.45,3377.27 2684.17,3354.55 2697.6,3354.55 R54.2@2701.07,3358.02 ; R53.1@2701.07,3440.49 R53.1@2701.16,3440.58 ; R54.2@2719,3358.42 R53.1@2719,3440.58
NetOP4_1: OP4.1 R63.1 R64.1 | length 1143.6
  Top Layer w20: v1(1280,2117) 1310,2117 1475.17,1951.83 v1(1475.17,1401.83)
  Bottom Layer w20: R64.1@1223.46,2120.58 1225.25,2118.79 1278.21,2118.79 v1(1280,2117) ; R63.1@1373.42,1324 1373.42,1428.78 OP4.1@1420.5,1475.86 ; OP4.1@1447.46,1475.86 1473.36,1475.86 1475.17,1474.05 v1(1475.17,1401.83)
NetOP4_2: OP4.2 R70.1 R71.1 | length 1563.7
  Top Layer w20: R70.1@1312.42,1513 1318.5,1519.09 1368.26,1519.09 1371.17,1522 v1(1368,1522)
  Bottom Layer w20: R71.1@1223.46,2730.58 1284.02,2730.58 1327.6,2687 1327.6,2342.03 1521,2148.63 1521,1558.51 1488.92,1526.43 1447.46,1526.43 1445.08,1524.05 v1@1368,1524.05
NetOP4_4: OP4.4 R69.2 | length 1594.2
  Top Layer w20: R69.2@1280,927 1227,874 1227,488 v2(1387,328) ; v1(1376,1610) 1376,1591 1430,1537 v1(1430,1142)
  Bottom Layer w20: R69.2@1280,927 1384,927 1430,973 v1(1430,1142) ; v1(1376,1610) 1392.43,1626.43 1446.89,1626.43 OP4.4@1447.46,1625.86
NetOP4_5: OP4.5 R67.2 R68.2 | length 430.8
  Top Layer w20: R67.2@1120.87,1607 1162.84,1607 v1(1233.83,1678)
  Bottom Layer w20: v1(1233.83,1678) 1234.79,1678.96 1234.79,1724.36 R68.2@1237,1726.57 ; R68.2@1242,1731.57 R68.2@1237,1726.57 ; OP4.5@1447.46,1675.86 1445.65,1677.67 1345.33,1677.67 1296.43,1726.57 R68.2@1237,1726.57
NetOP4_6: OP4.6 R62.2 | length 2022.3
  Top Layer w15: v1(1121,1140) 1121,387 1124,384 1120,380 v2(1172,328)
  Top Layer w20: v1(1121,1140) 1121,1225 1185,1289 1185,1577 1235,1627 1278.98,1627 1320,1668.02 1320,1689 v1(1358,1727)
  Bottom Layer w15: R62.2@900,927 1039,927 1094,982 1094,1113 v1(1121,1140)
  Bottom Layer w20: v1@1358.54,1725.86 OP4.6@1447.46,1725.86
NetOP4_7: OP4.7 R60.2 R61.2 | length 395.4
  Bottom Layer w20: R60.2@1240,1928.57 1300,1928.57 1320.87,1949.43 R61.2@1374,1949.43 1411.57,1949.43 1466.39,1894.61 1466.39,1775.86 OP4.7@1447.46,1775.86
NetOP4_8: OP4.8 R88.2 | length 159.8
  Bottom Layer w20: OP4.8@1652.35,1775.86 1684.74,1775.86 1686.55,1777.67 1686.55,1793.1 1705.47,1812.02 1787.33,1812.02 1787.76,1811.58 R88.2@1787.97,1811.58
NetOP4_9: OP4.9 R87.2 | length 140.2
  Bottom Layer w20: OP4.9@1652.35,1725.86 1785.49,1725.86 1789.19,1722.17 R87.2@1790.99,1722.17
NetOP4_10: OP4.10 R76.2 | length 1510.9
  Top Layer w20: v2(1616,328) 1616,520 1561,575 1561,843.71 R76.2@1644.29,927 1722,1004.71 v1(1722,1661.85)
  Bottom Layer w20: OP4.10@1642.35,1675.86 1642.92,1676.43 1710.28,1676.43 1722,1664.71 v1(1722,1661.85)
NetOP4_11: OP4.11 R74.2 R75.2 | length 222.2
  Bottom Layer w20: OP4.11@1642.35,1625.86 R75.2@1786.54,1625.86 ; R75.2@1792,1632.43 R74.2@1870,1632.43
NetOP4_13: OP4.13 R77.1 R78.1 | length 2277.6
  Bottom Layer w20: R78.1@1223.46,3300.58 1296.42,3300.58 1360,3237 1360,2357 1551,2166 1551,1547.58 1572.72,1525.86 1642.35,1525.86 1702.14,1525.86 1745,1483 1745,1425.42 R77.1@1793,1377.42
NetR4_3: R4.3 R5.1 | length 250
  Top Layer w30: R5.1@3650,3818.69 R4.3@3900,3818.69
NetR11_3: R11.3 R12.1 | length 250
  Top Layer w30: R12.1@3650,3338.69 R11.3@3900,3338.69
NetR45_1: R45.1 R46.1 R47.2 | length 616.8
  Top Layer w20: R45.1@2176,3627.04 2176,3628.04 2178,3630.04 2178,3739 2270,3831 2378,3831 v1(2473,3736)
  Bottom Layer w20: R46.1@2475.28,3702 2473,3704.28 v1(2473,3736) 2473.96,3736.96 2473.96,3776.96 R47.2@2513.02,3816.02
NetR48_2: R48.2 U2.3 | length 127.8
  Bottom Layer w20: U2.3@1817.41,4147.39 1871.27,4147.39 1920.08,4098.58 R48.2@1925,4098.58
NetR49_1: R49.1 R50.2 U2.4 | length 279.9
  Bottom Layer w20: R49.1@1591,3983.58 1593.71,3986.29 1697.87,3986.29 R50.2@1700.58,3989 1707.42,3995.84 1707.42,4147.39 U2.4@1714.26,4147.39
NetR80_2: R80.2 U4.1 | length 198.1
  Bottom Layer w20: R80.2@599.3,1392 676.16,1392 737.91,1453.74 737.91,1479.49 742.59,1479.49 U4.1@745.03,1481.93
NetR81_2: R81.2 U4.4 | length 527.1
  Bottom Layer w20: R81.2@599.3,1301 681.49,1301 820,1439.51 820,1597 785.07,1631.93 745.03,1631.93 U4.4@743.52,1633.44
NetR82_2: R82.2 U4.8 | length 771.5
  Bottom Layer w20: R82.2@599.3,1189.94 629.94,1189.94 860,1420 860,1737 904.93,1781.93 U4.8@939.91,1781.93
NetR83_1: R83.1 R84.2 U6.8 | length 304.9
  Top Layer w20: R83.1@3140,751 3141,752 3141,933 3187.65,979.65 3187.65,1022 U6.8@3197.65,1032
NetR85_2: R85.2 U6.7 | length 145.7
  Top Layer w20: R85.2@3063,1055.42 3089.58,1082 U6.7@3197.65,1082
NetR86_1: R86.1 U6.6 | length 144.7
  Top Layer w20: R86.1@3061.94,1161.69 R86.1@3061.94,1166.61 ; R86.1@3067.42,1150 3067.42,1146.45 3080.06,1133.81 3195.83,1133.81 U6.6@3197.65,1132
NetR95_1: R95.1 R96.2 U4.3 | length 223.9
  Bottom Layer w20: R96.2@600.44,1501.31 R95.1@600.44,1580.63 ; R95.1@600.44,1581.93 U4.3@745.03,1581.93
NetR97_2: R97.2 R98.2 U4.10 | length 232.2
  Bottom Layer w30: U4.10@939.91,1681.93 R97.2@1061.91,1681.93 ; R97.2@1075.06,1700 1077.03,1701.97 1077.03,1806.61 R98.2@1079,1808.58
NetR99_1: R99.1 R100.2 U4.6 | length 506.2
  Bottom Layer w20: R99.1@560,1971.42 572.42,1959 761,1959 819,1901 819,1778.93 772,1731.93 745.03,1731.93 U4.6@743.22,1733.74
Netre1_5: RE1.5 RE2.6 | length 3721.3
  Top Layer w20: RE1.5@795.09,2158.82 795.09,2300.09 903,2408 903,2560.16 991.94,2649.09 RE2.6@991.94,2758.82 982.09,2758.82 917,2823.91 917,3106 1082,3271 1082,3480 1120,3518 1812,3518 1877,3583 1877,3693 1800,3770 1253,3770 1130,3893 840.52,3893 v2@812.24,3921.28 ; v2@811,3922.52 v2(811,4029)
  other v2: 810.52,3929
Netre2_5: RE2.5 RE3.6 | length 2018
  Top Layer w20: v2@711,3920.52 v2(711,4029) ; v2@714.98,3922.02 774,3863 1117.43,3863 1184,3796.43 1184,3751 1151.47,3718.47 951.89,3718.47 899,3665.57 899,3451.76 RE3.6@986.94,3363.82 986.94,3250.94 882,3146 882,2845.73 RE2.5@795.09,2758.82
  other v2: 710.52,3929
NetU2_6: U2.6 U3.9 | length 597.6
  Bottom Layer w15: U3.9@1218.09,4202.8 1363.2,4202.8 1363.35,4202.94 1443.94,4202.94 1454,4213 1454,4265 1470,4281 1678.66,4281 1715,4244.67 1715,4222.93 U2.6@1714.26,4222.19
pads on no net: H1.MH1 H1.MH2 H2. H3. OP4.14 SW1.2 SW1.4 SW2.2 SW2.4 SW3.2 SW3.4 U1.2 U1.5 U1.9 U1.11 U3.3 U3.8 U4.2 U4.5 U4.9 U4.11 U4.12 U4.13 U5.4

## Polygon pours and split planes (outlines as drawn)
GND on Bottom Layer "GND_POLYGON" (solid, remove dead copper, pour order 8): 0,4357 0,0 4358,0 4358,4357
AGND on Bottom Layer "Bottom Layer-AGND" (solid, pour order 0): 787.95,4308 1375,4308 1375,3945 790.22,3945
GND on Bottom Layer "GND_POLYGON" (solid, pour order 4): 920,98
GND on Top Solder "ThermalPGND" (solid): 3248,1249 3357,1249 3357,1012 3248,1012
GND on Top Solder "ThermalPGND" (solid): 3247,1005 3362.87,1005 3413,954.87 3413,844 3247,844
GND on Top Layer "ThermalPGND" (solid, pour order 6): 3238.94,1248.02 3249.81,1248.02 3358.94,1248.02 3358.94,1031.42 3428.94,961.42 3428.94,831.42 3238.94,831.42

## Other copper
Bottom Layer:
  pour cut-out: 2916,3603 2825,3603 2825,3543 2862,3506 2910,3506
  pour cut-out: 3242.65,3498.26 3427.62,3498.26 3427.62,3452.02 3431.8,3447.84 3428.2,3444.23 3242.66,3444.23 3242.66,3498.26
  pour cut-out: 3115,3592 3115,3352 3118,3349 3120.14,3351.14 3136.84,3351.14 3136.84,3584.14 3131.03,3589.96
  pour cut-out: 3020.12,3692.92 3022.28,3690.76 3022.28,3591.48 3129.5,3591.48 3131.03,3589.96 3131.03,3805.86 3175.79,3850.63 3340.9,3850.63 3340.9,3881.01 2820.49,3881.01 2820.49,3656.3 2832.56,3644.23 2914.3,3644.23
  pour cut-out: 2411.64,3547.89 2411.64,3393.73 2425.37,3380 2429,3380 2429,3548 2431,3550
  pour cut-out: 2456.44,3515.64 2456.44,3402.25 2519.58,3339.11 2524.88,3344.41 2524.88,3456.36
  pour cut-out: 2967,2555 2941,2555 2941,2639.64 2942.36,2641 2969,2641
  pour cut-out: 3249,1536.15 3278.19,1536.15 3282,1539.96 3282,1666 3250,1666 3249,1667
  pour cut-out: 3167.02,1793.06 3167.02,1835.51 3165.64,1836.89 3282.36,1836.89 3282.36,1739.5 3207.61,1664.75 3207.61,1480.61 3205,1478 3167.8,1478
  pour cut-out: 2325.29,983.01 2327,984.72 2327,1065 2623,1065 2625.02,1062.98 2625.02,983.41
  pour cut-out: 2326.12,1205.53 2326.12,1152.17 2625,1152.17 2625,1207.32 2626.28,1208.6
  pour cut-out: 2472.12,1513.85 2472.12,1488.72 2475.65,1488.72 2570.61,1393.75 2575.87,1399 2605.73,1399 2605.73,1395.15 2620,1380.89 2620,1661.73
  pour cut-out: 2333.01,1293.56 2333.01,1303.22 2333.66,1303.88 2304.12,1333.43 2304.12,1335.43 2287.94,1351.61 2210.61,1351.61 2174,1315 2175,1314 2175,1098 2212,1098 2213,1097 2284.03,1168.03 2285.34,1168.03 2285.34,1226.18 2283.49,1228.02
  pour cut-out: 829.61,1616.23 835.47,1616.23 841.16,1621.92 841.16,1744.8 843.46,1744.8 902.65,1804 901.65,1805 839,1805 839,1770.09 786.27,1717.36 786.27,1656.02 828.3,1614 833,1614
  pour cut-out: 881,1719.96 881,1445 887,1439 899,1451 899,1718
  pour cut-out: 1488.71,1499.99 1521.91,1533.2 1536.54,1533.2 1564.28,1505.47 1599.69,1505.47 1599.69,1497.59 1601.26,1496.01 1598.01,1492.75 1598.01,1458.49 1599.75,1458.49 1603.27,1454.97 1706.02,1454.97 1718.08,1467.03 1718.08,1415 1497.72,1415 1488.39,1424.34 1488.39,1496.72
  pour cut-out: 1718.08,1705.47 1835,1705.47 1835,1659.51 1832.39,1662.12 1755.43,1662.12 1755.43,1657.36 1753.95,1655.89 1717.09,1692.75 1717.09,1704.48
  pour cut-out: 1706,1791 1813.64,1791 1830.61,1774.02 1830.61,1759.72 1755.34,1759.72 1755.34,1746.25 1703.48,1746.25 1703.38,1791 1754.71,1791 1755.34,1791.62
  pour cut-out: 1072.37,2244.22
  pour cut-out: 1103.73,2244.22 1041,2244.22 1041,2224 1051.19,2213.81 1092.44,2213.81 1092.44,2226.06 1104.43,2226.06 1104.43,2244.91
  pour cut-out: 2573.05,3606.57 2573.05,3549.12 2538.7,3549.12 2508.57,3518.99 2495.67,3531.89 2495.67,3593.84 2500.92,3599.09 2514.22,3599.09 2514.22,3607 2514.65,3606.57
  pour cut-out: 1400,3718.69 1824.39,3718.69 1824.39,2074.55 1554.06,2074.55 1400,2244.54
  pour cut-out: 2155,2448.7

## Silkscreen, mask and mechanical layers (free items; w line width, h text height)
Top Overlay:
  drawing of 171 lines, arcs and shapes, not listed
  text "BSPD+SDC+BrakeLight+ WheelSpeed Ver. III-1" at 654,4269 h60
  text "12V" at 3860,4230 h60
  text "HSIEN-TING,HSIEH" at 1209,4203 h59.06
  text "RelayContact" at 600,4191 h31.5
  text "5V" at 3909.98,4115 h60
  text "BMS / |--|" at 619,4066 h31.5
  text "BSPD / |--|" at 819,4066 h31.5
  text "Brake_init" at 3378,3987 h40
  text "Current_init" at 3794,3987 h40
  text "GND" at 453,3959 h60
  text "GND" at 4061,3900 h60
  text "Vduty" at 971,3841.96 h31.5
  text "|--| / IMD" at 717,3810 h31.5
  text "CT_L(R5)" at 4051,3792 h35.43
  text "CT_H(R4)" at 4051,3697 h35.43
  text "BMS_Drain" at 439,3532 h27.56
  text "BMS_Gate" at 439,3430 h27.56
  text "Brake_L /  (R12)" at 4051,3274 h35.43
  text "GND" at 531,3193 h60
  text "Brake_H /  (R11)" at 4051,3166 h35.43
  text "Current_trip /  (R22)" at 4051,2915 h25.59
  text "IMD_Drain" at 439,2850 h27.56
  text "Brake_trip /  (R27)" at 4051,2804 h30
  text "IMD_Gate" at 439,2748 h27.56
  text "Time_trip / (R31)" at 4051,2628 h30
  text "GND" at 531,2514 h60
  text "Brake_light / _trip (R55)" at 4051,2357 h27.56
  text "BSPD_Drain" at 439,2347 h25.59
  text "BSPD_Gate" at 439,2246 h27.56
  text "GND" at 4051,2213 h60
  text "Wheel_trip / (slip R51)" at 4051,1935 h30
  text "Brake_trip / (slip R37)" at 4051,1779 h30
  text "LED1: WheelSpeedSensor(Blink while turning) /  / LED2: BrkLightOverload(Fault : Transient, 1) /  / LED3: CurSensorRangeERR(Fault : Hold, 1) /  / LED4: BrkSensorRangeERR(Fault : Hold, 1) /  / LED5: Brk&CurPlausibility(Fault : Hold, 1) /  / LED6: CurSensorRangeERR(Fault : Transient, 1) /  / LED7: BrkSensorRangeERR(Fault : Transient, 1) /  / LED8: PowerON(Fault : 0) /  / LED9: SDC_OutputState(Fault : Transient, 0)" at 1952.76,1710 h64.57
  text "Shutdown Circuit's Threshold" at 565,1189 h45
  text "Hold" at 4218,1078 h30
  text "GND" at 580,1062.87 h39.37
  text "?" at 4207.11,1025.67 h34.01
  text "A" at 4245.66,994.49 h45.35
  text "IMD_fault" at 409,967 h39.37
  text "CUR / SEN" at 4223,880 h30.61
  text "BSPD_fault" at 408,867 h39.37
  text "BRK Light  /  Overload" at 3890,852 h27
  text "BMS_fault" at 409,772 h39.37
  text "Hold" at 4192,771 h30
  text "?" at 4112.58,714.68 h30
  text "BRK / SEN" at 4246.16,671.68 h30
  text "+" at 940,630 h100
  text "BRK&CUR / Plausibility" at 4130,561 h25
  text "?" at 4124.79,512.72 h30
  text "A" at 4158.79,485.22 h40
  text "CUR / SEN" at 4249,463.72 h27
  text "+" at 1103,403 h100
  text "?" at 4114.36,397.6 h30
  text "IMD / _thres / (R69)" at 1258,356 h39.37
  text "BRK / SEN" at 4247.94,354.6 h27
  text "BMS / _thres / (R76)" at 1538,353 h39.37
  text "+  -" at 4150,283 h15
  text "PWR / ON" at 4247.94,250 h30
  text "GND" at 1476,246 h60
  text "BSPD / _thres / (R62)" at 1072,109 h39.37
  text "Wheel / _high_spd / (hi_spd: 1  / slip condi1)" at 1809,83 h31.5
  text "SDC OUTPUT" at 3697,81 h30
  text "Brk&Cur Plausi. / Light Reset / (LED5)" at 2180,68 h31.5
  text "BrkSensor / RangeERR / Light Reset / (LED4)" at 2678,20 h31.5
  text "CurSensor / RangeERR / Light Reset / (LED3)" at 3145,20 h31.5
Bottom Overlay:
  drawing of 20 lines, arcs and shapes, not listed
Mechanical 1:
  the board outline again, w10

## Text inside footprints (layer, text, board x,y; h text height)
H2: Mechanical 13 "PCB EDGE" at -15.09,337.39 h32 r270
RE1: Mechanical 29 "1" at 1739.97,2493.46 h27.56 r180; Top Overlay "1" at 1739.97,2493.46 h27.56 r180
RE2: Mechanical 29 "1" at 1739.97,3093.46 h27.56 r180; Top Overlay "1" at 1739.97,3093.46 h27.56 r180
RE3: Mechanical 29 "1" at 1734.97,3698.47 h27.56 r180; Top Overlay "1" at 1734.97,3698.47 h27.56 r180
U2: Bottom Overlay "*" at 1843.83,4236.79 h50; Mechanical 13 "*" at 1807.83,4188.79 h50